# Altium PCB PCB2.PcbDoc
Units mm, origin at the board's own origin, x right, y up, seen from the top; angles counter-clockwise.
Board outline 50 x 25 mm, 2 copper layers (Top Layer, Bottom Layer); 14 components, 7 nets, 37 pads, 5 vias.
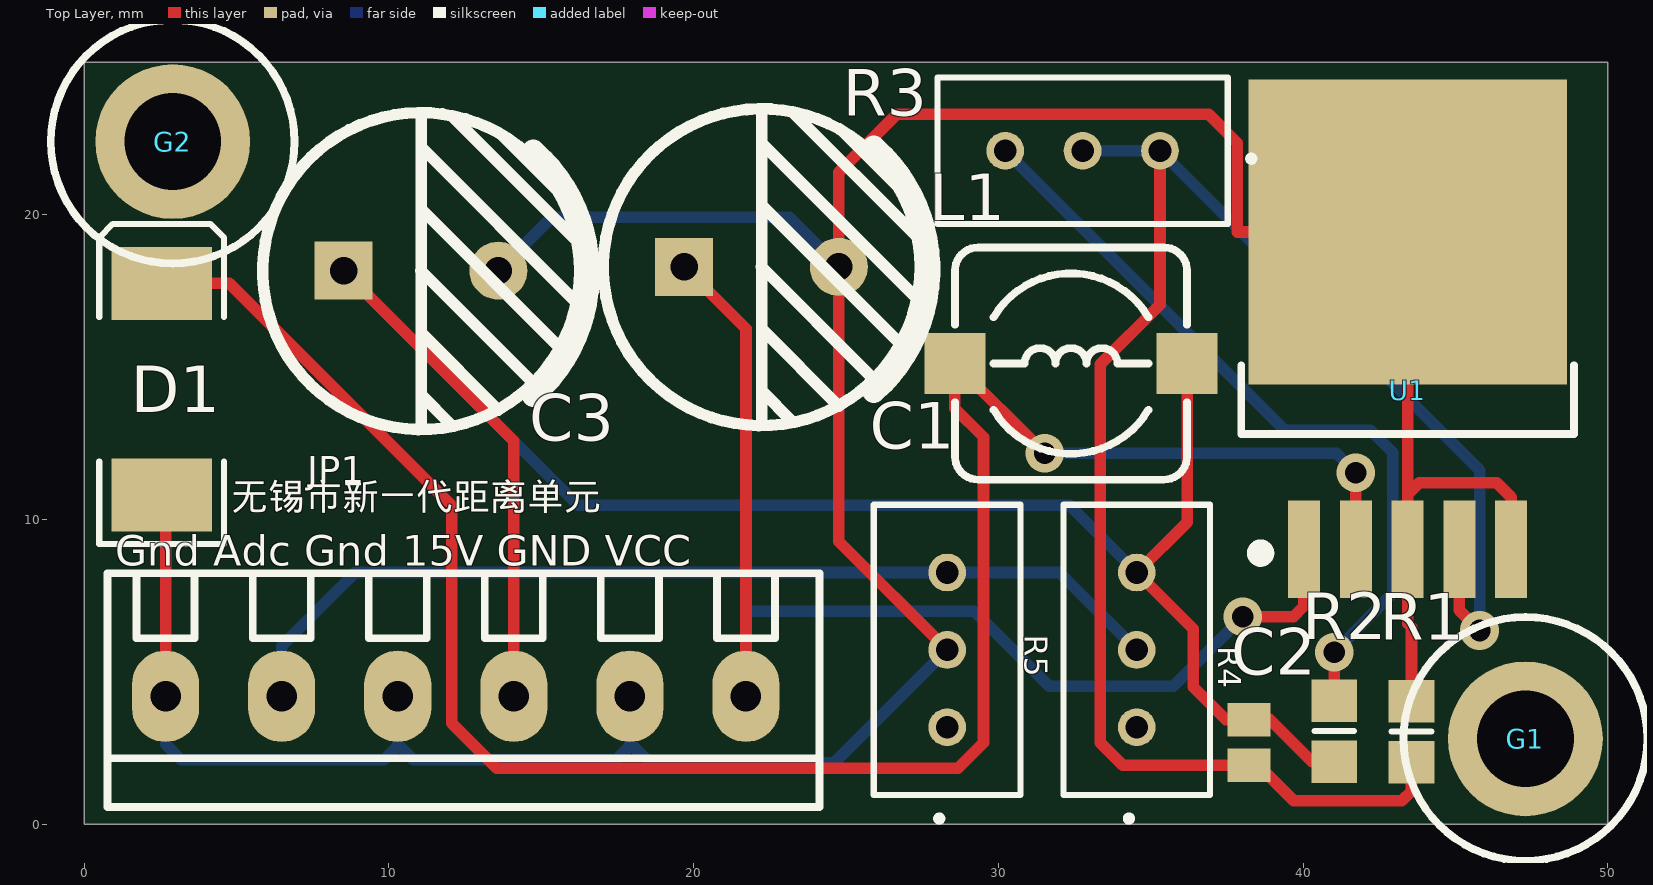
[diagram p0: Top Layer view]
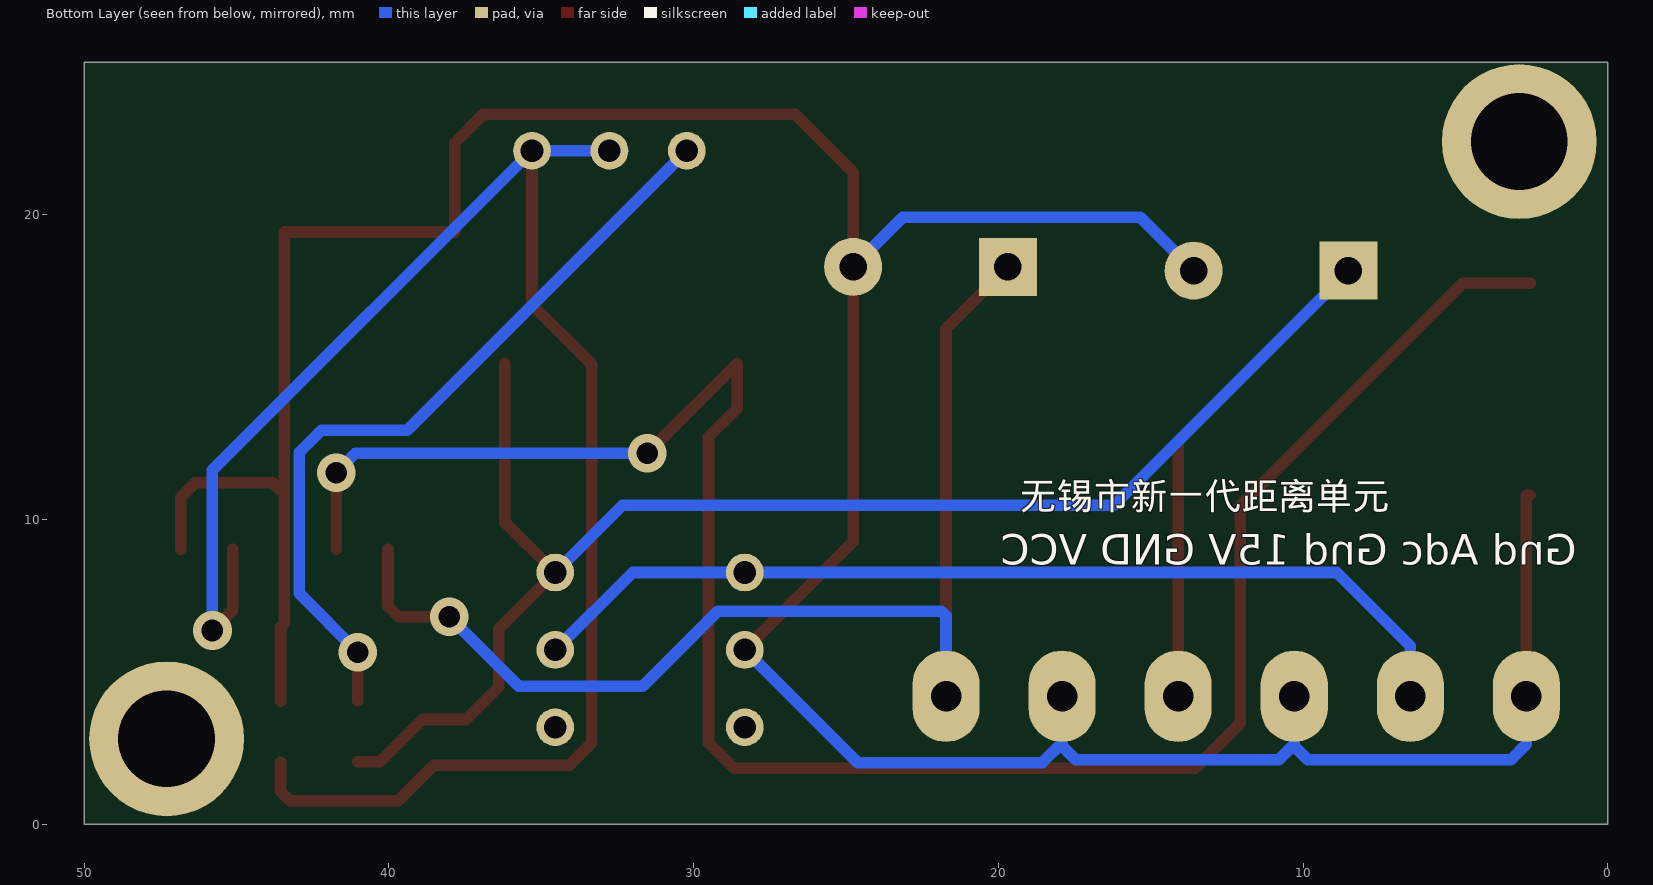
[diagram p1: Bottom Layer view, seen from below]

## Layer stack, top to bottom
Top Solder: solder mask 0.0102, Solder Resist, Dk 3.5
Top Layer: signal copper 0.0356
Dielectric 1: dielectric 0.32, FR-4, Dk 4.8
Bottom Layer: signal copper 0.0356
Bottom Solder: solder mask 0.0102, Solder Resist, Dk 3.5

## Board outline
0,0 50,0 50,25 0,25

## Design rules (kind name [scope] priority, off if disabled: settings)
Clearance Clearance_1 [All] p1: gap=0.381 ignorepadtopadclearanceinfootprint=FALSE
Clearance [InPolygon] p2: gap=0.508 ignorepadtopadclearanceinfootprint=FALSE
PolygonConnect [All] p1: connectstyle=Relief reliefconductorwidth=0.254 reliefentries=4 polygonreliefangle="90 Angle" airgapwidth=0.254
RoutingVias [All] p1: holewidth=0.711 width=1.27 viastyle="Through Hole" minholewidth=0.711 minwidth=1.27 maxholewidth=0.711 maxwidth=1.27
SolderMaskExpansion [All] p1: expansion=0.102 istentingtop=FALSE
Width [All] p1: maxlimit=0.762 minlimit=0.254 preferedwidth=0.381
30 further rules are at their usual default settings.

## Components (designator, comment, footprint, x,y, rotation, side; value= is the part's Value field where it differs from the comment)
C1 "470uf" "CAP 5.0*10*16" 22.225,18.288 r0 top
C2 "CAP_0805" C0805 38.227,2.679 r90 top value=3.3nF
C3 "220UF" "CAP 5.0*10*16" 11.049,18.161 r0 top
D1 "Diode  Zener" SMC 2.54,14.27 r90 top
G1 "Socket" M3x6_L 47.3,2.794 r0 top
G2 "Socket" M3x6_L 2.9,22.4 r0 top
JP1 "HDR-1X6" KF128-3.81-6P 12.192,4.191 r180 top
L1 "68uh" CDRH74 32.385,15.113 r0 top
R1 "1k" 6-0805_M 43.561,3.032 r270 top
R2 "1k" 6-0805_M 41.021,3.048 r270 top
R3 "3296W-20K" 3296W-1 32.766,22.098 r180 top
R4 "3296W-10K" 3296W-1 34.544,5.715 r90 top
R5 "3296W-5K" 3296W-1 28.321,5.715 r90 top
U1 "LM2596" TO263-5A 43.434,9.017 r0 top

## Footprints (in the part's own frame and the unit in brackets; to place one, negate y for a bottom-side part, rotate by r counter-clockwise, add the part's x,y. Pads: shape width x height; smd on the part's side, far side on the other; paste and mask are expansions set on the pad)
6-0805_M [mm] "Chip Resistor, Body 2.0x1.2mm, IPC Low Density"
  rect 1.4x1.5 smd: 1(-1,0) 2(1,0)
  silkscreen extent 0,-0.65 0,0.65, body extent -1.07,-0.7 1.07,0.7, height 0.7
3296W-1 [mm]
  round 1.24 hole 0.74: 1(-2.54,0) 2(0,0) 3(2.54,0)
  silkscreen extent -5.64,-2.41 4.76,2.41, body extent -4.78,-2.48 4.78,2.35, height 11.55
C0805 [mm] "Chip Capacitor, Body 2.0x1.3mm, IPC High Density"
  rect 1.1x1.4 smd: 1(-0.75,0) 2(0.75,0)
  body extent -1.1,-0.72 1.1,0.72, height 1.4
"CAP 5.0*10*16" [mm] "脚距5mm直径10mm高度16mm"
  rect 1.9x1.9 hole 0.9: 1(-2.54,0)
  round 1.9 hole 0.9: 2(2.54,0)
  silkscreen extent -5.19,-5.21 5.5,5.19, body extent -5,-5 5.01,5, height 16.04
CDRH74 [mm] "7.3*7.3*4.5mm（长宽高）"
  rect 2x2 smd: 1(-3.81,0) 2(3.81,0)
  silkscreen extent -3.81,-3.81 3.81,3.81, body extent -3.65,-3.65 3.65,3.65, height 4.5
KF128-3.81-6P [mm] "螺钉式接线端子，脚距3.81mm"
  oval 2.2x3 hole 1: 1(-9.525,0) 2(-5.715,0) 3(-1.905,0) 4(1.905,0) 5(5.715,0) 6(9.525,0)
  silkscreen extent -11.94,-4.04 11.43,3.63, body extent -11.93,-3.9 11.43,3.5, height 8.55
M3x6_L [mm] "M3铜柱，长：6mm"
  round 5.08 hole 3.175: 1(0,0)
  silkscreen extent -4,-4 4,4, body extent -2.7,-2.35 2.7,2.35, height 6.05
SMC [mm] "DO-214-AB/SMC; 2 C-Bend Leads; Body 7.9 x 5.9 mm, inc. leads (LxW)"
  rect 2.4x3.3 smd: 1(-3.475,0) 2(3.475,0)
  silkscreen extent -5.07,-2.05 5.43,2.06
TO263-5A [mm] "263，5脚晶体管"
  rect 1.05x3.2 smd: 1(-3.4,0) 2(-1.7,0) 3(0,0) 4(1.7,0) 5(3.4,0)
  rect 10.45x10 smd: 3(0,10.414)
  silkscreen extent -5.46,-0.33 5.46,6.04, body extent -5,-0.01 5,13.32, height 4.5

## Part data
C1 C3: library part CAP_DIP, "CAP_DIP"
C2: Manufacturer="Generic Components", Class=Passive, Published=08/06/2000, Publisher="Altium Hobart Technology Centre", SubClass=Capacitor
D1: "Zener Diode", Published=8-Jun-2000, Publisher="Altium Limited", Revision="July-2002: Re-released for DXP Platform."
JP1: library part "Header 6", "6P接插件", BOM名称=6P接插件, 学习资源=www.ooocke.com, 版权归属=源创客
L1: library part INDUCTOR, "电感", Code_IEC=1005, Code_JEITA=0402, LatestRevisionDate=17-Jul-2002, LatestRevisionNote="Re-released for DXP Platform.", PackageReference=0402-A, Published=8-Jun-2000, Publisher="Altium Limited"
R1 R2: library part Res, "0805电阻", Manufacturer="Generic Components", Class=Passive, Published=08/06/2000, Publisher="Altium Hobart Technology Centre", SubClass=Resistor
R3 R4 R5: library part 3296W-1-100LF, "Resistor", Manufacturer_Name=Bourns, Mouser Part Number=652-3296W-1-100LF, Arrow Part Number=3296W-1-100LF, Arrow Price/Stock=https://www.arrow.com/en/products/3296w-1-100lf/bourns, Datasheet Link=http://uk.rs-online.com/web/p/products/5219619, Manufacturer_Part_Number=3296W-1-100LF, Mouser Price/Stock=https://www.mouser.co.uk/ProductDetail/Bourns/3296W-1-100LF?qs=QXsCy0sQn1AEVjRqsT9BNA%3D%3D
G1 G2: LatestRevisionDate=17-Jul-2002, LatestRevisionNote="Re-released for DXP Platform.", Publisher="Altium Limited"

## Via types
v1: diameter 1.27, hole 0.711, Top Layer to Bottom Layer, 5 vias

## Nets (pads, with @x,y where several pads share a name; then routed paths per layer and width w, separated by ;. In a path a pad name is that pad's centre, name@x,y a point inside that pad or via, vN(x,y) a via of type N, cw(c..) or ccw(c..) an arc to the next point about the centre after c; other vN are vias at no path point)
15V: C2.2 C3.1 JP1.3 L1.2 R2.2 R4.3 | length 64.1
  Top Layer w0.381: C3.1 14.097,12.573 JP1.3 ; L1.2 36.195,9.906 R4.3 36.398,6.401 36.398,4.496 37.465,3.429 C2.2 38.913,3.429 40.294,2.048 R2.2
  Bottom Layer w0.381: C3.1 16.205,10.465 32.334,10.465 R4.3
adc_pin: JP1.5 R4.2 R5.3 | length 31.8
  Bottom Layer w0.381: JP1.5 6.477,5.842 8.89,8.255 R5.3 32.004,8.255 R4.2
GND: C1.2 C3.2 D1.1 JP1.2 JP1.4 JP1.6 R1.1 R5.2 U1.3 U1.5 | length 113.2
  Top Layer w0.381: D1.1 2.667,10.795 JP1.6 ; R5.2 24.765,9.271 C1.2 24.765,21.387 26.67,23.292 36.906,23.292 37.846,22.352 37.846,19.431 43.434,19.431 43.434,10.82 ; R1.1 43.561,6.452 43.434,6.579 43.434,9.017 43.434,10.82 ; U1.5 46.834,10.722 46.355,11.201 43.815,11.201 43.434,10.82
  Bottom Layer w0.381: JP1.6 2.667,2.616 3.175,2.108 9.842,2.108 10.287,2.553 10.287,2.616 ; JP1.4 10.287,2.616 ; C3.2 15.342,19.914 23.139,19.914 C1.2 ; JP1.2 17.907,2.667 ; R5.2 24.613,2.007 18.567,2.007 17.907,2.667 ; 10.287,2.616 10.795,2.108 17.462,2.108 17.907,2.553 17.907,2.667
NetC2_1: C2.1 R1.2 R3.1 R3.2 U1.4 | length 57.9
  Top Layer w0.381: R3.1 35.306,17.043 33.35,15.088 33.35,2.667 34.088,1.929 C2.1 38.533,1.929 39.7,0.762 43.243,0.762 43.561,1.079 R1.2 ; U1.4 45.134,7.012 v1(45.796,6.35)
  Bottom Layer w0.381: R3.2 R3.1 45.796,11.608 v1(45.796,6.35)
NetD1_2: D1.2 L1.1 U1.2 | length 68.1
  Top Layer w0.381: D1.2 4.763,17.745 12.065,10.442 12.065,3.302 13.538,1.829 28.677,1.829 29.515,2.667 29.515,12.7 28.575,13.64 L1.1 v1(31.521,12.167) ; U1.2 v1(41.734,11.532)
  Bottom Layer w0.381: v1(31.521,12.167) 41.099,12.167 v1(41.734,11.532)
NetR2_1: R2.1 R3.3 | length 25.8
  Top Layer w0.381: R2.1 v1(41.021,5.639)
  Bottom Layer w0.381: R3.3 39.395,12.929 42.215,12.929 42.951,12.192 42.951,7.569 v1(41.021,5.639)
VCC: C1.1 JP1.1 U1.1 | length 39.9
  Top Layer w0.381: C1.1 21.717,16.256 JP1.1 ; v1(38.024,6.807) 39.688,6.807 40.034,7.154 U1.1
  Bottom Layer w0.381: JP1.1 21.717,6.833 21.869,6.985 29.21,6.985 31.674,4.521 35.738,4.521 v1(38.024,6.807)
pads on no net: G1.1 G2.1 R4.1 R5.1

## Silkscreen, mask and mechanical layers (free items; w line width, h text height)
Top Overlay:
  text "无锡市新一代距离单元" at 4.827,10.027 h1.52
  text "Gnd Adc Gnd 15V GND VCC" at 1.016,8.484 h1
Bottom Overlay:
  text "无锡市新一代距离单元" at 19.304,10.033 h1.52
  text "Gnd Adc Gnd 15V GND VCC" at 1.016,8.509 h1
Mechanical 1:
  the board outline again, w0.254